# Altium PCB InsaneKeyboard.PcbDoc (part 4 of 4)
Units mil, origin at the board's own origin, x right, y up, seen from the top; angles counter-clockwise.
Board outline 7442.83 x 6333.68 mil, 4 copper layers (Top Layer, Int1 (GND), Int2 (GND), Bottom Layer), stack 60.6 mil thick; 288 components, 175 nets, 883 pads, 541 vias.
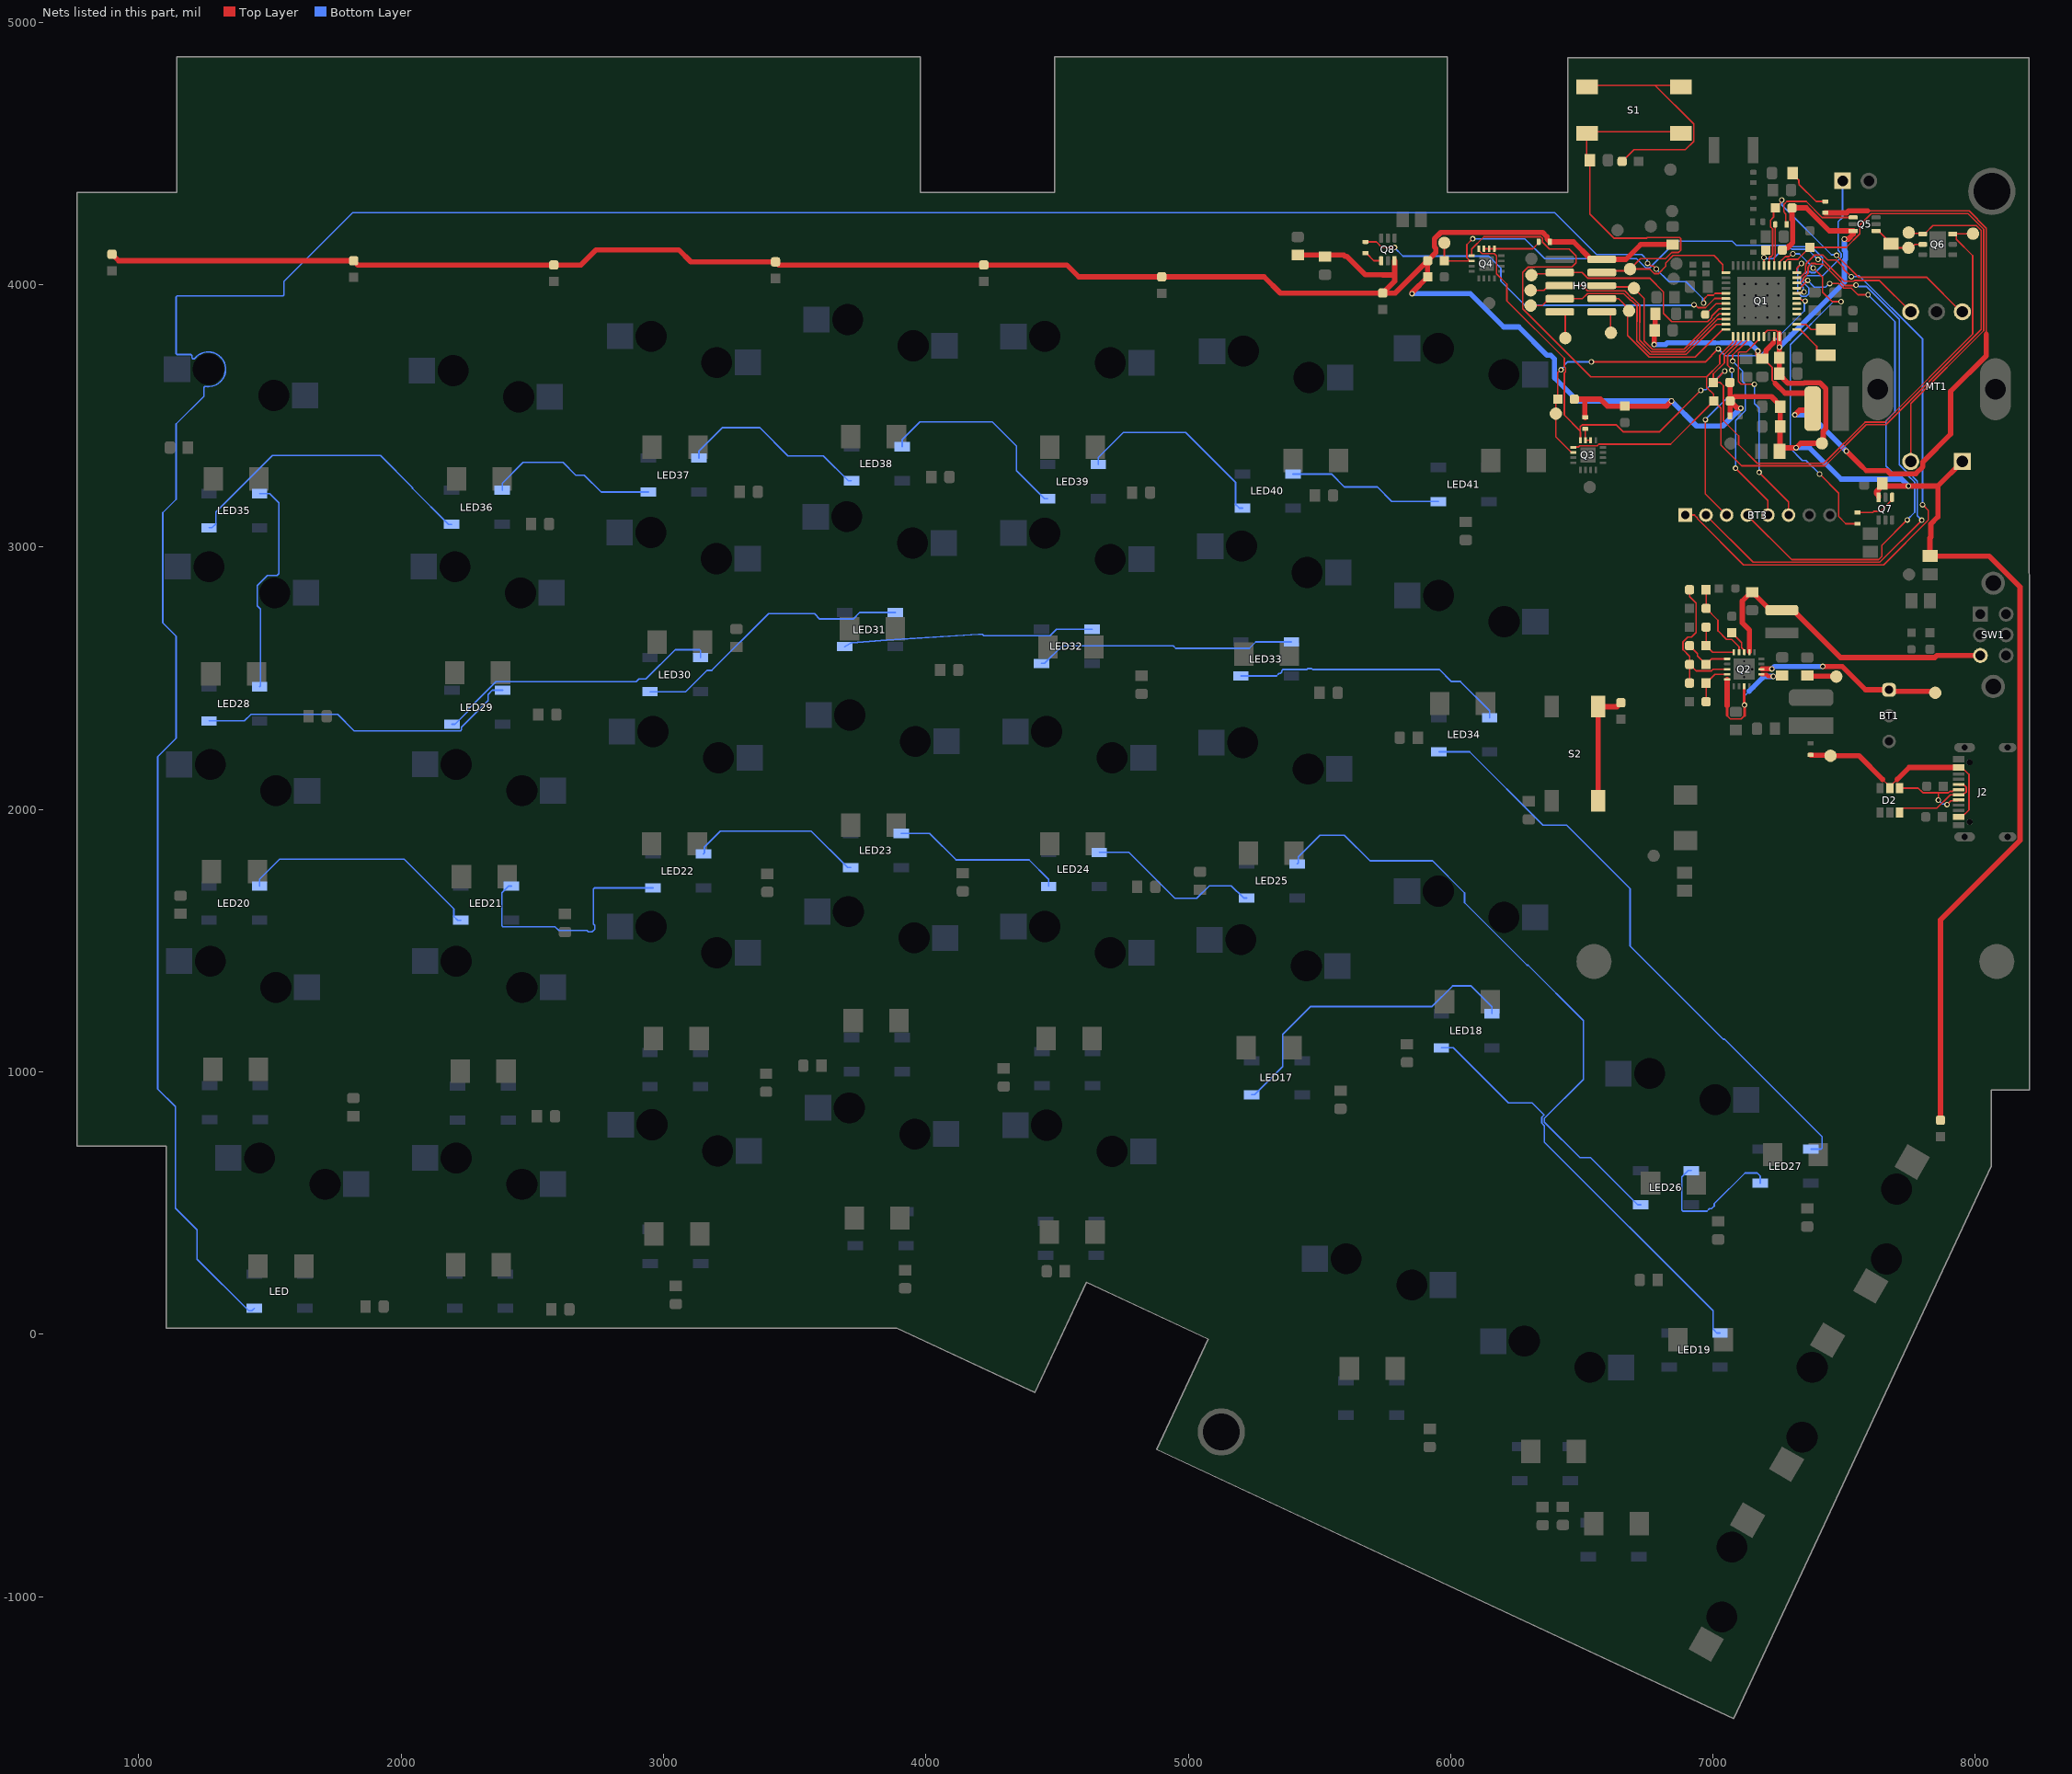
[diagram p6: the nets of this part, all layers, seen from the top]

## Via types
v1: diameter 21, hole 13, Top Layer to Bottom Layer, tented both sides, 274 vias
v2: diameter 21, hole 13, Top Layer to Bottom Layer, 266 vias
v3: diameter 23, hole 13, Top Layer to Bottom Layer, tented both sides, 1 vias

## Nets (pads, with @x,y where several pads share a name; then routed paths per layer and width w, separated by ;. In a path a pad name is that pad's centre, name@x,y a point inside that pad or via, vN(x,y) a via of type N, cw(c..) or ccw(c..) an arc to the next point about the centre after c; other vN are vias at no path point) (continued)
NetLED17_4-DIN: LED17.4-DIN LED18.2-DOUT | length 1219.2
  Bottom Layer w6: LED17.4-DIN@5241.54,913.04 5253.35,913.04 5360.17,1019.85 5360.17,1142.82 5466.85,1249.5 5929.23,1249.5 6007.47,1327.74 6078.39,1327.74 6157.46,1248.68 LED18.2-DOUT@6157.46,1221.96
NetLED18_4-DIN: LED18.4-DIN LED19.2-DOUT | length 1620.7
  Bottom Layer w6: LED18.4-DIN@5964.54,1092.04 6009.96,1092.04 6220.25,881.75 6310.64,881.75 6356.25,836.14 6347.5,827.39 6347.5,804.61 6357.5,794.61 6357.5,732.11 6999.93,89.68 6999.93,19.68 7014.65,4.96 LED19.2-DOUT@7026.46,4.96
NetLED20_2-DOUT: LED20.2-DOUT LED21.4-DIN | length 938.9
  Bottom Layer w6: LED20.2-DOUT@1460.46,1707.96 1460.46,1734.68 1536.74,1810.96 2011.79,1810.96 2201.02,1621.73 2201.02,1592.76 2215.73,1578.04 LED21.4-DIN@2227.54,1578.04
NetLED21_2-DOUT: LED21.2-DOUT LED22.4-DIN | length 925.4
  Bottom Layer w6: LED21.2-DOUT@2420.46,1707.96 2408.65,1707.96 2383.93,1683.24 2383.93,1557.42 2388.03,1553.32 2586.66,1553.32 2600.99,1539 2708.25,1539 2713.75,1533.5 2728.25,1533.5 2738.5,1543.75 2738.5,1558.25 2733,1563.75 2733,1697.52 2736.51,1701.04 LED22.4-DIN@2959.54,1701.04
NetLED22_2-DOUT: LED22.2-DOUT LED23.4-DIN | length 668
  Bottom Layer w6: LED22.2-DOUT@3152.46,1830.96 3156.46,1834.96 3156.46,1857.68 3216.74,1917.96 3562.81,1917.96 3701.73,1779.04 LED23.4-DIN@3713.54,1779.04
NetLED23_2-DOUT: LED23.2-DOUT LED24.4-DIN | length 660.8
  Bottom Layer w6: LED23.2-DOUT@3906.46,1908.96 4014.27,1908.96 4115.15,1808.08 4393.64,1808.08 4468,1733.72 LED24.4-DIN@4468,1707
NetLED24_2-DOUT: LED24.2-DOUT LED25.4-DIN | length 673
  Bottom Layer w6: LED24.2-DOUT@4660.91,1836.92 4773.89,1836.92 4948.81,1662 5032.79,1662 5080.29,1709.5 5164.27,1709.5 5210.73,1663.04 LED25.4-DIN@5222.54,1663.04
NetLED25_2-DOUT: LED25.2-DOUT LED26.4-DIN | length 2409.2
  Bottom Layer w6: LED25.2-DOUT@5415.46,1792.96 5419.46,1796.96 5419.46,1819.68 5501.74,1901.96 5595.29,1901.96 5692.75,1804.5 5930.92,1804.5 6053.28,1682.14 6053.28,1645.31 6291.68,1406.9 6295.1,1406.9 6506,1196 6506,971.75 6357.5,823.25 6357.5,808.75 6492.98,673.27 6533.5,673.27 6712.73,494.04 LED26.4-DIN@6724.54,494.04
NetLED26_2-DOUT: LED26.2-DOUT LED27.4-DIN | length 570.6
  Bottom Layer w6: LED26.2-DOUT@6917.46,623.96 6905.65,623.96 6880.93,599.24 6880.93,473.42 6885.03,469.32 6976.66,469.32 6985.84,478.5 6994.25,478.5 7004.5,488.75 7004.5,497.16 7122.04,614.7 7168.15,614.7 7180.34,602.51 LED27.4-DIN@7180.34,575.8
NetLED27_2-DOUT: LED27.2-DOUT LED34.4-DIN | length 2283.4
  Bottom Layer w6: LED34.4-DIN@5955.54,2220.04 6072.39,2220.04 6351.92,1940.51 6442.24,1940.51 6683.81,1698.94 6683.81,1479.44 7038.54,1124.71 7043.89,1124.71 7415.3,753.31 7415.3,709.23 7411.78,705.72 LED27.2-DOUT@7373.26,705.72
NetLED28_2-DOUT: LED28.2-DOUT LED35.4-DIN | length 850.7
  Bottom Layer w6: LED28.2-DOUT@1460.46,2467.96 1463.55,2471.05 1463.55,2764.79 1451.94,2776.39 1451.94,2853.36 1490.64,2892.06 1527.47,2892.06 1534.06,2898.64 1534.06,3168.89 1498.98,3203.96 LED35.4-DIN@1460.46,3203.96
NetLED28_4-DIN: LED28.4-DIN LED29.2-DOUT | length 1238.2
  Bottom Layer w6: LED28.4-DIN@1267.54,2338.04 1403.31,2338.04 1428.03,2362.76 1758.24,2362.76 1820.68,2300.32 2225.97,2300.32 2230.07,2304.42 2230.07,2314.32 2331.48,2415.73 2331.48,2438.51 2347.93,2454.96 LED29.2-DOUT@2386.46,2454.96
NetLED29_4-DIN: LED29.4-DIN LED30.2-DOUT | length 1097.3
  Bottom Layer w6: LED29.4-DIN@2193.54,2325.04 2205.35,2325.04 2258.03,2377.71 2258.03,2383.68 2361.35,2487 2895.42,2487 2906.18,2497.76 2933.26,2497.76 3044.7,2609.19 3137.94,2609.19 3141.46,2605.68 LED30.2-DOUT@3141.46,2578.96
NetLED30_4-DIN: LED30.4-DIN LED31.2-DOUT | length 1076.8
  Bottom Layer w6: LED30.4-DIN@2948.54,2449.04 3084.31,2449.04 3165.52,2530.24 3183.82,2530.24 3400.08,2746.5 3575.25,2746.5 3595.5,2726.24 3722.97,2726.24 3747.69,2750.96 LED31.2-DOUT@3883.46,2750.96
NetLED31_4-DIN: LED31.4-DIN LED32.2-DOUT | length 960.2
  Bottom Layer w6: LED31.4-DIN@3690.54,2621.04 3717.07,2635.76 3851.03,2645.76 4200.75,2667.5 4215.25,2667.5 4220.5,2662.24 4472.97,2662.24 4497.69,2686.96 LED32.2-DOUT@4633.46,2686.96
NetLED32_4-DIN: LED32.4-DIN LED33.2-DOUT | length 995.3
  Bottom Layer w6: LED32.4-DIN@4440.54,2557.04 4452.35,2557.04 4519.81,2624.5 4942.25,2624.5 4952.5,2614.24 5232.97,2614.24 5257.69,2638.96 LED33.2-DOUT@5393.46,2638.96
NetLED33_4-DIN: LED33.4-DIN LED34.2-DOUT | length 1056.2
  Bottom Layer w6: LED33.4-DIN@5200.54,2509.04 5336.31,2509.04 5345.74,2518.47 5351.07,2518.47 5356.93,2524.33 5356.93,2529.66 5361.03,2533.76 5452.01,2533.76 5455.75,2537.5 5470.25,2537.5 5473.99,2533.76 5957.03,2533.76 6002.93,2487.86 6037.28,2487.86 6148.46,2376.68 LED34.2-DOUT@6148.46,2349.96
NetLED35_2-DOUT: LED35.2-DOUT LED36.4-DIN | length 1176
  Bottom Layer w6: LED35.2-DOUT@1267.54,3074.04 1279.35,3074.04 1294.07,3088.76 1294.07,3133.72 1510.03,3349.68 1920.95,3349.68 2043.48,3227.15 2043.48,3224.29 2180.73,3087.04 LED36.4-DIN@2192.54,3087.04
NetLED36_2-DOUT: LED36.2-DOUT LED37.4-DIN | length 663.4
  Bottom Layer w6: LED36.2-DOUT@2385.46,3216.96 2385.46,3243.68 2464.74,3322.96 2616.86,3322.96 2665.32,3274.5 2697.82,3274.5 2762.29,3210.04 LED37.4-DIN@2942.54,3210.04
NetLED37_2-DOUT: LED37.2-DOUT LED38.4-DIN | length 728.8
  Bottom Layer w6: LED37.2-DOUT@3135.46,3339.96 3135.46,3366.68 3224.74,3455.96 3366.54,3455.96 3474.46,3348.04 3609.73,3348.04 3704.73,3253.04 LED38.4-DIN@3716.54,3253.04
NetLED38_2-DOUT: LED38.2-DOUT LED39.4-DIN | length 786.3
  Bottom Layer w6: LED38.2-DOUT@3909.46,3382.96 3909.46,3409.68 3977.74,3477.96 4253.43,3477.96 4345.72,3385.67 4345.72,3292.05 4452.73,3185.04 LED39.4-DIN@4464.54,3185.04
NetLED39_2-DOUT: LED39.2-DOUT LED40.4-DIN | length 783.6
  Bottom Layer w6: LED39.2-DOUT@4657.46,3314.96 4657.46,3341.68 4752.74,3436.96 4990.59,3436.96 5180.02,3247.54 5180.02,3163.76 5194.73,3149.04 LED40.4-DIN@5206.54,3149.04
NetLED40_2-DOUT: LED40.2-DOUT LED41.4-DIN | length 597.5
  Bottom Layer w6: LED40.2-DOUT@5399.46,3278.96 5545.63,3278.96 5595.09,3229.5 5720.48,3229.5 5775.94,3174.04 LED41.4-DIN@5953.54,3174.04
NetQ2_7: Q2.7 R11.1 R15.2 | length 165.4
  Top Layer w6: R15.2@6973.6,2410.91 R11.1@6973.6,2482.08 7006.83,2515.31 Q2.7@7054.04,2515.31
NetQ2_8: Q2.8 R2.2 R11.2 R12.2 | length 561.5
  Top Layer w6: R11.2@6910.61,2482.08 R12.2@6910.61,2553.25 ; R2.2@6910.61,2837.91 6911.49,2837.03 6911.49,2811.19 6935.32,2787.36 6935.32,2674.96 6917.76,2657.4 6903.45,2657.4 6885.89,2639.84 6885.89,2608.98 6910.61,2584.27 R12.2@6910.61,2553.25 ; Q2.8@7054.04,2535 7000.69,2535 6994.21,2528.53 6935.32,2528.53 R12.2@6910.61,2553.25
NetQ2_10: Q2.10 R12.1 R14.2 | length 186.5
  Top Layer w6: R14.2@6910.61,2624.41 6941.09,2593.93 6941.09,2585.76 R12.1@6973.6,2553.25 6994.72,2574.37 Q2.10@7054.04,2574.37
NetQ2_11: Q2.11 R14.1 R17.2 | length 187.3
  Top Layer w6: R17.2@6973.6,2695.58 R14.1@6973.6,2624.41 6998.05,2599.96 Q2.11@7079.63,2599.96
NetQ2_12: Q2.12 R2.1 R7.2 | length 301.7
  Top Layer w6: R2.1@6973.6,2837.91 R7.2@6973.6,2766.74 7018.83,2721.51 7018.83,2681.34 7051.38,2648.79 7071.3,2648.79 7099.32,2620.77 Q2.12@7099.32,2599.96
NetQ3_14: Q3.14 Q3.15 R27.2 | length 63.7
  Top Layer w6: R27.2@6513,3451 6513.58,3450.42 6513.58,3408.08 Q3.14@6514.16,3407.5 Q3.15@6533.84,3407.5
NetQ4_14: Q4.14 Q4.15 Q4.16 R28.2 | length 221.5
  Top Layer w6: Q4.14@6127.16,4137.5 6312.78,4137.5 6335.35,4160.06 R28.2@6335.35,4164
NetQ5_3: Q5.3 R29.1 | length 375.6
  Top Layer w6: R29.1@7280.65,4230 7277.65,4233 7277.65,4233.91 7277.65,4269.7 7269.78,4277.57 7269.78,4306.03 7281.47,4317.72 7355.05,4317.72 7416.17,4256.59 Q5.3@7534.69,4256.59
NetQ7_3: Q7.3 R333.1 | length 161.2
  Top Layer w6: R333.1@7551,3132.65 7608.91,3132.65 7613.04,3136.79 7638.91,3136.79 7682.59,3180.46 Q7.3@7682.59,3190.31
NetQ8_3: Q8.3 R37.1 | length 72.3
  Top Layer w6: R37.1@5675,4120.35 5678.94,4120.35 5707.59,4091.69 Q8.3@5735.41,4091.69
NetR6_2: R6.2 S1.1 S1.2 | length 942.9
  Top Layer w6: S1.1@6519.87,4754.58 6525.87,4760.58 6778.77,4760.58 ; R6.2@6653.5,4470 6698.33,4514.82 6894.34,4514.82 6926.47,4546.96 6926.47,4612.88 6778.77,4760.58 ; S1.2@6878.13,4754.58 6872.13,4760.58 6778.77,4760.58
NetR38_2: R38.2 S2.1 S2.2 | length 450.8
  Top Layer w20: S2.2@6562.58,2033.87 S2.1@6562.58,2392.13 6634.13,2392.13 R38.2@6649,2407
PAVDD: L4.1 R4.2 | length 180.6
  Top Layer w6: L4.1@7303.37,4426 7303.37,4422.06 7327.54,4397.89 7327.54,4386.89 7328.54,4385.89 7328.54,4381.89 7392.78,4317.65 R4.2@7428,4317.65
PTI_DATA: H9.10 TP12.1 | length 114.5
  Top Layer w6: H9.10@6416,3897 6425.82,3897 6437,3885.82 TP12.1@6437,3797
PTI_FRAME: H9.9 TP8.1 | length 107.9
  Top Layer w6: H9.9@6576,3897 6598.82,3897 6610,3885.82 6610,3818 TP8.1@6611,3817
RADIO_PA0: H3.1 Q1.25 | length 758.9
  Top Layer w6: Q1.25@7319.47,4046.37 7319.47,4063.26 7337,4080.79 v2(7337,4081)
  Bottom Layer w6: v2(7337,4081) 7323.14,4067.14 7323.14,3970.86 7338.5,3955.5 7354.25,3955.5 7364.5,3965.75 7364.5,3988.54 7343.14,4009.9 7343.14,4024.4 7353.39,4034.65 7418.4,4034.65 7488.5,4104.75 7488.5,4119.25 7477,4130.75 7477,4240.63 7494,4257.63 H3.1@7494,4396
RADIO_PA1: BT3.1 Q1.26 | length 2448.2
  Top Layer w6: BT3.1@6894.41,3122.35 6929.16,3122.35 6940.4,3111.1 6940.4,3108.78 7116.66,2932.52 7650.27,2932.52 7821,3103.25 7821,3140 v2(7799,3162) ; Q1.26@7319.47,4026.69 7321.59,4028.8 7333.4,4028.8 7352.5,4047.9 7352.5,4071.75 7354.62,4073.87 7354.62,4080.51 7387.86,4113.75 7418.35,4113.75 7437.6,4094.5 7469.5,4094.5 7496.88,4067.12 7496.88,4061.37 v2(7527.13,4031.13)
  Bottom Layer w6: v2(7527.13,4031.13) 7546.75,4031.13 7549.63,4034 7557.89,4034 7799,3792.89 v2(7799,3162)
RADIO_PA2: BT3.2 Q1.27 | length 2297.5
  Top Layer w6: BT3.2@6973.15,3122.35 7152.98,2942.52 7635.52,2942.52 v2(7796,3103) ; Q1.27@7319.47,4007 7331.28,4007 7333.4,4009.12 7343.5,4019.22 7343.5,4024.76 7362.5,4043.76 7362.5,4067.61 7364.5,4069.61 7364.5,4071.25 7374.75,4081.5 7390.25,4081.5 7393,4078.75 7420.28,4078.75 7501.9,3997.13 7543.76,3997.13 v2(7545.31,3998.69)
  Bottom Layer w6: v2(7545.31,3998.69) 7549.37,3998.69 7554.12,3993.94 7583.81,3993.94 7710,3867.75 7710,3314.15 7739.65,3284.5 7746.39,3284.5 7778.94,3251.95 7778.94,3120.06 v2(7796,3103)
RADIO_PA3: BT3.4 Q1.28 | length 2101.1
  Top Layer w6: BT3.4@7130.63,3122.35 7300.46,2952.52 7630.84,2952.52 7643.13,2964.81 7643.13,3007.13 v2(7740,3104) ; v2(7361,4017) Q1.28@7333.4,3989.43 ; v2(7445,4005) 7479.89,4005 7497.76,3987.13 7527.27,3987.13 7552.4,3962 v2(7591,3962) ; Q1.28@7333.4,3989.43 7331.28,3987.31 Q1.28@7319.47,3987.31 7321.59,3989.43 Q1.28@7333.4,3989.43
  Bottom Layer w6: v2(7361,4017) 7361,4016.25 7386.25,3991 7429.12,3991 7443.12,4005 v2(7445,4005) ; v2(7591,3962) 7693.65,3859.35 7693.65,3515.58 7659.5,3481.44 7659.5,3308.75 7692.25,3276 7726.01,3276 7727.51,3274.5 7742.25,3274.5 7768.94,3247.81 7768.94,3132.94 v2(7740,3104)
RADIO_PA4: Q1.29 Q4.11 R30.1 TP24.1 | length 1945.9
  Top Layer w6: TP24.1@5976,4160 5976,4092.5 R30.1@5975.5,4092 5976.65,4090.84 Q4.11@6073.81,4090.84 ; Q4.11@6080.5,4090.84 Q4.11@6073.81,4090.84 ; v1(6084,4175.31) 6061.69,4153 6061.69,4102.96 Q4.11@6073.81,4090.84 ; Q1.29@7319.47,3967.63 7321.59,3969.75 7339.69,3969.75 7342.94,3973 v1(7347,3973)
  Bottom Layer w6: v1(6084,4175.31) 6282.94,4175.31 6358.75,4099.5 6708.75,4099.5 6743.75,4064.5 6758.25,4064.5 6859.75,4166 7073.25,4166 7088.75,4150.5 7299.14,4150.5 7303.9,4145.74 7375.51,4145.74 7417.75,4103.5 7417.75,4075 7389.25,4046.5 7374.75,4046.5 7371.75,4049.5 7358.75,4049.5 7353.9,4044.65 7349.25,4044.65 7333.14,4028.54 7333.14,4005.76 7338.12,4000.77 7338.12,3995.5 7344.13,3989.49 7344.13,3975.87 v1(7347,3973)
RADIO_PA5: Q1.30 Q3.11 R26.1 TP23.1 | length 1475.1
  Top Layer w6: v1(6420.63,3676) 6419.06,3676 6408.5,3665.44 R26.1@6408.5,3564 6401,3556.5 6401,3420.65 6460.81,3360.84 Q3.11@6467.5,3360.84 ; v1(6536,3706) 6970,3706 v1(7020,3756) ; Q1.30@7319.47,3947.94 7331.28,3947.94 7338.36,3940.87 7348.13,3940.87 v1(7351,3938)
  Bottom Layer w6: v1(6420.63,3676) 6420.63,3676.34 6434.25,3689.96 6434.25,3695.25 6445,3706 v1(6536,3706) ; v1(7020,3756) 7045.66,3730.34 7178.03,3730.34 7348.26,3900.58 7348.26,3935.26 v1(7351,3938)
RADIO_PB11: Q1.31
RADIO_PB12: Q1.32
RADIO_PB13: Q1.33
RADIO_PB14: Q1.35 X2.2 | length 118.5
  Top Layer w6: Q1.35@7319.47,3849.52 7354.85,3849.52 7374.15,3830.21 X2.2@7430,3830.21
RADIO_PB15: Q1.36 X2.1 | length 160
  Top Layer w6: Q1.36@7319.47,3829.83 7331.28,3829.83 7333.4,3827.72 7395.6,3765.52 7395.6,3750.44 7414.25,3731.79 X2.1@7430,3731.79
RADIO_PC6: BT3.6 Q1.43 | length 837.9
  Top Layer w6: v2(7158,3621) 7107.11,3621 7096.38,3631.73 7096.38,3740.03 7100.48,3744.13 7127.47,3744.13 7172.28,3788.94 7174.39,3791.05 Q1.43@7174.39,3802.87 ; v2(7176,3285) 7288.11,3172.89 BT3.6@7288.11,3122.35
  Bottom Layer w6: v2(7158,3621) 7158,3547.87 7176,3529.87 v2(7176,3285)
RADIO_PC7: Q1.44
RADIO_PC8: BT3.5 Q1.45 | length 781.4
  Top Layer w6: v2(7074.88,3709.23) 7074.88,3732.67 7096.34,3754.13 7098.1,3754.13 7132.91,3788.94 Q1.45@7135.02,3791.05 ; v2(7086,3301) 7209.37,3177.63 BT3.5@7209.37,3122.35
  Bottom Layer w6: v2(7074.88,3709.23) 7113,3671.11 7113,3632.12 7123.5,3621.62 7123.5,3520.27 7086,3482.77 v2(7086,3301)
RADIO_PC9: BT3.3 Q1.46 | length 775.8
  Top Layer w6: v2(6971,3486) 6971,3203.24 BT3.3@7051.89,3122.35 ; v2(7072,3674) 7072,3676.82 7055.38,3693.44 7055.38,3731.09 Q1.46@7115.34,3791.05
  Bottom Layer w6: v2(6971,3486) 7072,3587 v2(7072,3674)
RADIO_PC10: Q1.47 Q3.13 Q4.13 Q6.1 R32.1 TP34.1 | length 3766.4
  Top Layer w6: Q4.13@6107.47,4137.5 6107.47,4130.8 6119.59,4118.68 6166.3,4118.68 6174.68,4110.3 6174.68,4042.43 6214.5,4002.61 6214.5,3938.89 6433.22,3720.17 6433.22,3688.16 6438.13,3683.25 6438.13,3668.75 6433.22,3663.84 6433.22,3503.47 6494.19,3442.5 ; Q3.13@6494.47,3407.5 6494.47,3437.75 6494.19,3438.03 6494.19,3442.5 ; v1(6953.5,3597.5) 6795.5,3439.5 6658.86,3439.5 6632.49,3465.87 6500.6,3465.87 6494.19,3459.47 6494.19,3442.5 ; v1(7044.5,3671.5) 7016.22,3642.72 R32.1@7001.5,3628 ; Q1.47@7095.65,3791.05 7093.54,3788.94 7085.84,3781.24 7085.84,3777.58 7043.38,3735.12 7043.38,3702.48 7001.5,3660.6 R32.1@7001.5,3628 ; Q6.1@7914.09,4193.37 7914.9,4194.19 7990.18,4194.19 TP34.1@7991,4195 ; Q6.1@7921.96,4193.37 7927.82,4187.51 7927.82,4173.16 7989.91,4111.08 7989.91,3811.84 7654.95,3476.89 7579.86,3476.89 7423.03,3320.06 7168.19,3320.06 7097.62,3390.63 7097.62,3424.13 7039.78,3481.97 7039.78,3615 7026.78,3628 R32.1@7001.5,3628
  Bottom Layer w6: v1(6953.5,3597.5) 6956,3600 6973,3600 v1(7044.5,3671.5)
RADIO_PC11: Q1.48 Q3.12 Q4.12 Q6.6 R31.1 TP33.1 | length 4675.4
  Top Layer w6: Q4.12@6080.5,4110.53 6080.5,4136.61 6126.71,4182.81 6343.81,4182.81 6350.22,4176.4 6350.22,4162.85 6376.57,4136.5 6451.65,4136.5 6478,4110.15 6478,4083.85 6462.65,4068.5 6320.81,4068.5 6319.93,4067.62 6295.32,4067.62 6274.38,4046.68 6274.38,3908.32 6533.66,3649.03 6975.79,3649.03 ; Q3.12@6467.5,3380.53 6469.28,3382.3 6488.32,3382.3 6492.56,3386.54 6558.65,3386.54 6564.76,3392.65 6838.15,3392.65 R31.1@7002.5,3557 ; Q1.48@7075.97,3802.87 7075.84,3802.74 7075.84,3781.72 7025.88,3731.76 7025.88,3699.12 6975.79,3649.03 ; TP33.1@7746,4199 7748.82,4196.19 7809.83,4196.19 7812.76,4199.12 7812.76,4200.37 7838.01,4225.62 8003.68,4225.62 8021.62,4207.68 8021.62,3829.42 7659.09,3466.89 7584,3466.89 7427.18,3310.06 7108.63,3310.06 7029.78,3388.91 7029.78,3529.72 R31.1@7002.5,3557 ; 6975.79,3649.03 6975.79,3608.38 6988.12,3596.05 6990.17,3596.05 7002.5,3583.72 R31.1@7002.5,3557
RADIO_PD10: MT1.B Q1.19 R36.1 | length 745.3
  Top Layer w6: Q1.19@7194.08,4073.34 7194.04,4073.38 v1(7194,4104) v1(7194,4104) 7194,4131.5 7194.5,4132 7200.68,4132 R36.1@7201.28,4132.61 ; v1(7400.25,4096.25) 7416.92,4096.25 7499.55,4013.63 7535.51,4013.63 7538.07,4016.19 7634.66,4016.19 MT1.B@7753.58,3897.28
  Bottom Layer w6: v1(7194,4104) 7198.06,4104 7202.06,4100 7230.16,4100 7268.78,4138.62 7296.87,4138.62 7299.76,4135.74 7360.76,4135.74 v1(7400.25,4096.25)
RADIO_PD11: MT1.A Q1.20 R33.1 | length 1155.1
  Top Layer w6: Q1.20@7213.76,4073.34 7213.76,4104.38 7217.28,4107.89 7221.9,4107.89 7227.47,4113.47 7227.47,4212.54 7218.99,4221.02 7218.99,4245.83 7230.5,4257.35 7230.5,4285.22 7259.13,4313.85 7259.13,4320.13 v1(7262,4323) ; v1(7471,4112) 7554,4029 7813.69,4029 7945.42,3897.28 MT1.A@7950.43,3897.28
  Bottom Layer w6: v1(7262,4323) 7262.75,4322.25 7262.75,4303.5 7451.5,4114.75 7468.25,4114.75 v1(7471,4112)
RADIO_PD12: Q1.21 R29.2 | length 158.4
  Top Layer w6: Q1.21@7233.45,4073.34 7233.45,4105.3 7237.47,4109.32 7237.47,4229.87 R29.2@7237.35,4230
RADIO_PD13: Q1.22 R333.2 | length 1457.9
  Top Layer w6: Q1.22@7253.13,4073.34 7253.13,4085.15 7275.38,4107.4 7289.23,4107.4 7300.07,4118.24 v2(7304.12,4118.24) ; v2(7382,4064) 7383,4064 7417.62,4029.38 7417.62,3972.38 7454.01,3936 v2(7488,3936) ; v2(7405.89,3278.89) 7478.34,3206.44 7478.34,3117.2 7506.19,3089.35 R333.2@7551,3089.35
  Bottom Layer w6: v2@7301.51,4115.62 v2(7304.12,4118.24) 7328.76,4118.24 7382,4065 v2(7382,4064) ; v2(7405.89,3278.89) 7354.51,3330.27 7340.98,3330.27 7294.5,3376.75 7294.5,3771.83 7458.67,3936 v2(7488,3936)
RADIO_PD14: MT1.2 Q1.23 R3.1 | length 1892.8
  Top Layer w6: Q1.23@7272.82,4073.34 7274.94,4075.46 7274.94,4087.27 7285.07,4097.4 7323.89,4097.4 R3.1@7369,4142.5 7507.75,4142.5 7559.41,4194.16 7559.41,4227.88 7603,4271.46 7971.98,4271.46 8031.62,4211.83 8031.62,3825.28 7753.58,3547.23 MT1.2@7753.58,3326.41
RADIO_PD15: Q1.24
RADIO_PF0: H9.7 Q1.1 TP7.1 | length 663.6
  Top Layer w6: H9.7@6576,3947 6640,3947 6680,3907 TP7.1@6680,3901 6674,3895 6674,3807.22 6756.27,3724.94 6932.3,3724.94 7035.07,3827.72 Q1.1@7037.19,3829.83
RADIO_PF1: H9.8 Q1.2 TP11.1 | length 985.7
  Top Layer w6: TP11.1@6305,3921 6349.5,3921 6375.5,3947 6501.91,3947 6521.91,3967 6659.31,3967 6686.39,3939.91 6689.39,3939.91 6710.62,3918.68 6710.62,3860.73 6709.89,3859.99 6709.89,3785.47 6760.42,3734.94 6897.65,3734.94 7012.23,3849.52 Q1.2@7049,3849.52
RADIO_PF2: H9.6 Q1.3 TP13.1 | length 986.4
  Top Layer w6: TP13.1@6305,3979 6356.02,3979 6374.02,3997 6501.91,3997 6521.91,3977 6663.45,3977 6690.54,3949.91 6693.54,3949.91 6720.62,3922.83 6720.62,3856.59 6719.89,3855.85 6719.89,3789.61 6764.56,3744.94 6893.51,3744.94 7017.77,3869.2 Q1.3@7049,3869.2
RADIO_PF3: H9.5 Q1.4 TP10.1 | length 723.8
  Top Layer w6: H9.5@6576,3997 6581,3992 6693.73,3992 6737.69,3948.04 6737.69,3785.96 6768.7,3754.94 6889.36,3754.94 7004.99,3870.56 7004.99,3870.81 7023.07,3888.89 Q1.4@7049,3888.89
RADIO_PF4: H9.4 Q1.5 TP9.1 | length 894.7
  Top Layer w6: TP9.1@6308,4037 6313,4042 6411,4042 H9.4@6416,4047 6500.85,4047 6522.35,4025.5 6758.49,4025.5 6811.24,3972.76 6811.24,3890.69 6842.55,3859.38 6979.66,3859.38 6994.99,3874.71 6994.99,3880.49 7023.07,3908.57 Q1.5@7049,3908.57
RADIO_PF5: LED2.A Q1.6 | length 95.6
  Top Layer w6: LED2.A@6970.5,3887 7011.76,3928.26 Q1.6@7049,3928.26
RADIO_PF6: Q1.7 R37.2 | length 1523.1
  Top Layer w6: R37.2@5675,4163.65 5716.88,4163.65 5738.53,4142 v2(5786,4142) ; v2(6928,3924) 6932.06,3924 6943.11,3912.94 6971.59,3912.94 7006.59,3947.94 Q1.7@7049,3947.94
  Bottom Layer w6: v2(5786,4142) 5818.5,4109.5 6145.5,4109.5 6191.65,4063.35 6191.65,4013.6 6283.23,3922.02 6926.02,3922.02 v2(6928,3924)
RADIO_PF7: LED.4-DIN Q1.8 | length 10639.8
  Top Layer w6: v2(6751,4082) 6753.98,4082 6763.98,4072 6772,4072 v2(6784.04,4059.96) ; v2(6964,3930.44) 6966.87,3933.31 6966.87,3946.89 6980.35,3960.38 7001.03,3960.38 7008.29,3967.63 Q1.8@7049,3967.63
  Bottom Layer w6: 1249.75,3611.02 1248,3609.27 1248,3575 1142.5,3469.5 1142.5,3182.09 1091.87,3131.46 1091.87,2711.8 1142.5,2661.17 1142.5,2272.18 1072.44,2202.12 1072.44,934.96 1139.52,867.88 1139.52,481.25 1222.38,398.39 1222.38,286.39 1419.23,89.54 1431.04,89.54 LED.4-DIN@1440.54,99.04 ; 1249.77,3611.04 1251.51,3612.79 1254,3612.79 1254.47,3612.79 ccw(c1265,3678) 1213.88,3719.84 cw(c1209.26,3723.66) 1212.31,3718.49 1211.75,3718.16 1211.13,3717.96 cw(c1209.26,3723.66) 1207.39,3717.96 1206.77,3718.16 1206.22,3718.49 cw(c1209.26,3723.66) 1204.44,3720.08 1203.26,3721.68 1203.26,3723.66 1203.26,3730.11 1199.16,3734.21 1146.01,3734.21 1144.26,3735.97 1142.5,3737.73 1142.5,3954.49 1146.01,3958 1550.29,3958 1552.05,3959.76 1553.81,3961.51 1553.81,4013.05 1815.26,4274.5 6396.5,4274.5 6556,4115 6729,4115 6748.71,4095.29 6748.71,4084.29 v2(6751,4082) ; v2(6784.04,4059.96) 6832,4012 6897,4012 6961.13,3947.87 6961.13,3933.31 v2(6964,3930.44)
RESET: C14.1 H9.3 Q1.12 S1.3 S1.4 TP6.1 | length 1895.6
  Top Layer w6: H9.3@6576,4047 6582.5,4053.5 6677.5,4053.5 TP6.1@6684,4060 ; S1.4@6878.13,4577.42 6872.13,4583.42 6525.87,4583.42 6518.87,4576.42 6518.87,4486.69 C14.1@6530.55,4475 6530.55,4270.14 6623.32,4177.38 6746.49,4177.38 6749.35,4180.24 6872.52,4180.24 6876.62,4176.14 6876.62,4130.97 6869.28,4123.62 6843.35,4123.62 6819.22,4099.5 6723.5,4099.5 TP6.1@6684,4060 ; Q1.12@7049,4046.37 7039.75,4046.37 7037.63,4048.49 7037.63,4077.26 7003.27,4111.62 6848.32,4111.62 6819.8,4083.11 6819.8,4070.97 6791.29,4042.46 6776.79,4042.46 6759.25,4060 TP6.1@6684,4060
TEMP_LOAD_SW: C28.1 Q5.6 Q6.5 TP27.1 | length 210.7
  Top Layer w6: Q5.6@7621.31,4205.41 7631.15,4205.41 7695.56,4141 7756.16,4141 7769.16,4154 Q6.5@7799.91,4154
USB_D_N: D2.1 J2.A7 J2.B7 | length 341.7
  Top Layer w6: D2.1@7711.41,1988.39 7711.41,1994.3 7722.19,2005.08 7852.9,2005.08 7904.14,2056.32 7952.54,2056.32 7955.44,2059.22 7959.31,2063.1 7961.34,2063.1 7965.44,2067.2 7965.44,2084.8 7957.47,2092.78 7938.91,2092.78 J2.B7@7936,2095.69
USB_D_P: D2.6 J2.A6 J2.B6 | length 356.2
  Top Layer w6: D2.6@7711.41,2081.4 7782.12,2081.4 7799.08,2064.44 7859,2064.44 ; v2(7859,2036) 7859,2064.44 ; v2(7892,2019) 7906.72,2033.72 7933.09,2033.72 J2.B6@7936,2036.63 ; J2.A6@7936,2076 7919.46,2076 7912.69,2069.22 7902.9,2069.22 7898.12,2064.44 7859,2064.44
  Bottom Layer w6: v2(7859,2036) 7874,2021 7890,2021 v2(7892,2019)
USB_VCC: D2.5 J2.A4_B9 J2.B4_A9 R13.2 TP16.1 | length 892.8
  Top Layer w6: 7646.28,2115.09 D2.5@7674.01,2087.36 ; 7701.73,2115.09 D2.5@7674.01,2087.36 ; J2.B4_A9@7936,1971.67 7948.66,1971.67 7975.44,1998.46 7975.44,2133.86 7948.66,2160.65 J2.A4_B9@7936,2160.65 ; D2.5@7674.01,2087.36 D2.5@7674.01,2081.4 D2.5@7674.01,2087.36
  Top Layer w20: R13.2@7372.14,2208.47 7373.88,2206.73 7446.26,2206.73 TP16.1@7448,2205 7556.37,2205 7646.28,2115.09 ; 7701.73,2115.09 7747.29,2160.65 J2.A4_B9@7936,2160.65
VBAT: BT1.1 Q2.18 TP18.1 | length 706.9
  Top Layer w20: Q2.18@7185.77,2535.96 v1(7224.55,2535.96) ; v1(7418.62,2545.62) 7492.45,2545.62 7581.64,2456.43 BT1.1@7671,2456.43 7677.21,2450.21 7841.79,2450.21 TP18.1@7847,2445
  Bottom Layer w20: v1(7224.55,2535.96) 7224.82,2535.96 7234.48,2545.62 v1(7418.62,2545.62)
VBAT_OK: Q2.13 R18.1 | length 93
  Top Layer w6: R18.1@7072,2673.5 7109.32,2636.19 7109.32,2616.73 7117.28,2608.77 7119,2607.05 Q2.13@7119,2599.96
VDCDC: C6.1 C9.1 L3.1 L5.2 Q1.40 R4.1 | length 3309.6
  Top Layer w6: C9.1@7191.94,3718.45 7225.87,3684.52 7225.87,3635.48 7236.97,3624.38 ; 7588.96,4281.46 7976.13,4281.46 8041.62,4215.97 8041.62,3811.23
  Top Layer w12.37: 7229.07,3777.82 7232.88,3781.64 Q1.40@7232.88,3795.94
  Top Layer w17.67: 7567.5,3307.5 7583.5,3291.5
  Top Layer w20: v1(6775.95,3772.44) 6775.95,3825.4 C6.1@6778.57,3828.01 ; C6.1@6777.55,3827 6779.09,3828.54 6779.09,3888.46 L3.1@6780.63,3890 ; v1(7170.78,3747.84) 7170.97,3747.65 7170.97,3734.94 7174.38,3731.53 7174.38,3728.13 7184.06,3718.45 C9.1@7191.94,3718.45 ; C9.1@7190,3720.45 7193.94,3720.45 7201.62,3728.13 7201.62,3750.38 7229.07,3777.82 ; 7236.97,3624.38 7274.45,3586.9 7358.64,3586.9 7379.7,3565.84 L5.2@7379.7,3528 7373.62,3521.92 7329.92,3521.92 v1(7312,3504) ; R4.1@7428,4274.35 7509.37,4274.35 7516.48,4281.46 7588.96,4281.46 ; v1(7508.43,3366.57) 7567.5,3307.5 ; 7583.5,3291.5 7663.43,3291.5 7675,3279.93 7772.83,3279.93 7800.06,3307.16 7800.06,3325.06 7905.78,3430.78 7905.78,3593.74 8041.62,3729.58 8041.62,3811.23
  Bottom Layer w17: 7008.35,3779 7031.65,3779
  Bottom Layer w20: v1(6775.95,3772.44) 6819.89,3772.44 6826.45,3779 7008.35,3779 ; 7031.65,3779 7139.62,3779 v1(7170.78,3747.84) ; v1(7312,3504) 7371,3504 v1(7508.43,3366.57)
VMCU: C7.1 C8.1 C13.1 C20.1 C21.1 C24.2 C25.1 C26.1 C29.1 C69.1 H9.1 L6.1 MT1.1 Q1.39 Q1.42 Q5.1 Q7.1 Q8.1 R16.2 R19.2 R20.2 R21.2 R22.2 R23.2 R24.2 R25.2 R26.2 R27.1 R28.1 R30.2 R31.2 R32.2 R33.2 R34.1 R35.1 R36.2 TP21.1 | length 15071.7
  Top Layer w6: Q1.42@7194.65,3809.8 7194.65,3814.2 7207.25,3826.8 7241.02,3826.8 Q1.39@7253.13,3814.68
  Top Layer w20: R16.2@898,4116.5 923,4091.5 R19.2@1819,4091.5 1835,4075.5 R20.2@2582,4075.5 2685.28,4075.5 2743.26,4133.48 3058.28,4133.48 3104.27,4087.5 R21.2@3427,4087.5 3439,4075.5 R22.2@4221,4075.5 4537.5,4075.5 4582.5,4030.5 R23.2@4899,4030.5 5289,4030.5 5351,3968.5 R24.2@5741,3968.5 ; C26.1@5417,4113.55 C29.1@5521,4113.55 ; C29.1@5521,4107.45 C29.1@5521,4113.55 ; Q8.1@5786.59,4091.69 5786.59,4038 ; v2(5852.5,3966) 5852.69,3966.19 5852.69,3970.19 R34.1@5912.5,4030 R30.2@5912.5,4092 5943.36,4122.86 5943.36,4139.43 5938.38,4144.42 5938.38,4175.58 5962.61,4199.81 6350.85,4199.81 6367.22,4183.45 6367.22,4175.12 R28.1@6376.53,4165.81 ; R30.2@5912,4091.5 5789,3968.5 R24.2@5741,3968.5 ; R28.1@6380.78,4164 6468.5,4164 6531,4101.5 6571.5,4101.5 H9.1@6576,4097 6667.79,4097 6724.35,4153.55 C7.1@6846,4153.55 ; R26.2@6471.5,3564 6511.75,3564 ; R27.1@6513,3494.31 6511.75,3495.56 6511.75,3564 ; v2(6842,3557) 6822.5,3537.5 6597.27,3537.5 6570.76,3564 6511.75,3564 ; R32.2@7064.5,3628 7065,3627.5 7065,3557.5 R31.2@7065.5,3557 ; L6.1@7064.91,3502.6 7064.91,3556.41 R31.2@7065.5,3557 ; v2(7106,3530) 7105.81,3530.19 7092.3,3530.19 R31.2@7065.5,3557 ; C8.1@7252.55,3662 C8.1@7252.55,3658.06 ; Q1.39@7253.13,3814.68 Q1.39@7253.13,3802.87 7253.07,3802.8 7253.07,3762.07 7252.81,3761.81 7252.81,3722.26 C13.1@7252.55,3722 C8.1@7252.55,3658.06 ; C25.1@7253.65,3366 7266.45,3378.81 v1@7316.81,3378.81 ; C25.1@7255.05,3373.5 7255.05,3458.6 C21.1@7256.45,3460 7256.45,3539.94 7222.76,3573.62 7082.12,3573.62 R31.2@7065.5,3557 ; R36.2@7264.28,4132.61 7271.38,4139.72 7282.74,4139.72 7303.37,4160.34 7303.37,4246.77 7301.28,4248.86 R33.2@7301.28,4293 7355.72,4293 7443.31,4205.41 Q5.1@7534.69,4205.41 ; v1(7317,3379) v1@7316.81,3378.81 ; v1(7501,4174) 7501.19,4174.19 7515.4,4174.19 7534.19,4192.98 Q5.1@7534.19,4203.28 ; Q7.1@7631.41,3190.31 7631.41,3195.9 7622.54,3204.77 7622.54,3210.93 7644.63,3233.02 7744.94,3233.02 7857.02,3233 ; R25.2@7867,816 7867,1579.27 8170.47,1882.74 8170.47,2848.08 8052.55,2966 C24.2@7827,2966 7827,3034.87 7830.5,3038.37 7830.5,3088.71 7857.02,3115.23 7857.02,3233 ; MT1.1@7950.43,3326.41 7857.02,3233 ; C29.1@5521,4113.55 5592.66,4113.55 5597.66,4108.55 5604.62,4108.55 5675.17,4038 5740.35,4038 5740.85,4037.5 5786.09,4037.5 5786.59,4038 ; R24.2@5741,3968.5 5786.59,4014.09 5786.59,4038 ; C8.1@7252.55,3658.06 7286.24,3624.38 7345.87,3624.38 7348.14,3626.65 7407.77,3626.65 7430,3604.42 7430,3451.58 7420.21,3441.8 7420.21,3401.21 TP21.1@7415,3396 7334.27,3396 7317.08,3378.81 v1@7316.81,3378.81
  Bottom Layer w20: v2(5852.5,3966) 6075.35,3966 6201.85,3839.51 6259.64,3839.51 6367.93,3731.21 6382.08,3731.21 6396.13,3717.15 6396.13,3645.22 6484.35,3557 v2(6842,3557) 6937.5,3461.5 7037.23,3461.5 7105.73,3530 v2(7106,3530) ; v1(7253,3762) 7501,4010 7501,4093.21 7505.5,4097.71 7505.5,4126.29 7501,4130.79 v1(7501,4174) ; v1(7317,3379) 7368,3379 7488,3259 7718.97,3259 v1(7744.97,3233)
VOUT: C19.1 L7.2 Q2.14 SW1.3 | length 1233.8
  Top Layer w20: Q2.14@7138.69,2601.77 7138.69,2684.61 7111.38,2711.92 7111.38,2794.76 7145.06,2828.45 C19.1@7149,2828.45 7152.94,2828.45 7162.62,2818.76 7162.62,2816.07 7218.69,2760 L7.2@7262,2760 7305.31,2760 7486.02,2579.28 7845.33,2579.28 7853.15,2587.11 8018.64,2587.11 SW1.3@8018.79,2587.26
VSTOR: C15.1 C16.1 Q2.3 Q2.6 Q2.19 TP17.1 | length 662.3
  Top Layer w6: 7054.04,2357.98 7066.35,2345.67 7107.86,2345.67 7119.56,2357.38
  Top Layer w9.67: 7119.56,2357.38 7120,2357.82 v2(7120,2398)
  Top Layer w10: Q2.3@7119,2470.04 7119,2468.23 7119,2397.91 v2@7119.1,2397.81
  Top Layer w10.88: 7054.04,2357.98 7054.04,2396.64
  Top Layer w15.21: Q2.19@7185.77,2514.35 7204.41,2514.35 7211.23,2507.54 v2(7229.87,2507.54)
  Top Layer w20: 7054.04,2396.64 7054.04,2490.35 Q2.6@7054.04,2495.63 ; C15.1@7359,2510.55 7360.78,2508.78 7468.22,2508.78 TP17.1@7470,2507
  Bottom Layer w6: 7119,2432.25 7138.25,2451.5
  Bottom Layer w10: 7119,2432.25 7119,2399 v2(7120,2398)
  Bottom Layer w20: 7138.25,2451.5 7194.1,2507.35 7229.67,2507.35 v2(7229.87,2507.54)
pads on no net: BT1.2 D2.3 D2.4 H3.2 J2. J2.A8 J2.B8 LED41.2-DOUT Q1.13 Q3.17 Q4.17 Q5.4 Q5.5 Q6. Q6.3 Q6.4 Q7.4 Q7.5 Q8.4 Q8.5 SW1.1 SW1.4 SW1.5 SW1.6 SW1.S1 SW1.S2 SW2.4 SW2.5 SW3.4 SW3.5 SW4.4 SW4.5 SW5.4 SW5.5 SW6.4 SW6.5 SW7.4 SW7.5 SW8.4 SW8.5 SW9.4 SW9.5 SW10.4 SW10.5 SW11.4 SW11.5 SW12.4 SW12.5 SW13.4 SW13.5 SW14.4 SW14.5 SW15.4 SW15.5 SW16.4 SW16.5 SW17.4 SW17.5 SW18.4 SW18.5 SW19.4 SW19.5 SW20.4 SW20.5 SW21.4 SW21.5 SW22.4 SW22.5 SW23.4 SW23.5 SW24.4 SW24.5 SW25.4 SW25.5 SW26.4 SW26.5 SW27.4 SW27.5 SW28.4 SW28.5 SW29.4 SW29.5 SW30.4 SW30.5 SW31.4 SW31.5 SW32.4 SW32.5 SW33.4 SW33.5 SW34.4 SW34.5 SW35.4 SW35.5 SW36.4 SW36.5 SW37.4 SW37.5 SW38.4 SW38.5 SW39.4 SW39.5

## Polygon pours and split planes (outlines as drawn)
GND on Top Layer "GND_L01_P006" (solid, remove dead copper, pour order 6): 8185,4513 6441,4513 6441,4346 6435.78,4351.22 5988,4351.22 5988,4286 5988,3966 8185,3966
GND on Top Layer "GND_L01_P005" (solid, pour order 5): 7179,2730 7179,2784 7119,2784 7117,2786 7117,2656 7154,2619 7154,2591 7153,2590 7034,2551 7147,2551 7164,2568 7164,2611 7163,2612 7173,2622 7173,2625 7175,2625 7178,2628
NetC17_1 on Top Layer "NETC17_1_L01_P004" (solid, pour order 4): 7501,2351 7500,2352 7228,2352 7217,2341 7217,2217 7195,2195 6840,2195 6835,2190 6838,2187 6838,2002 6993,2002 7129,2138 7268,2138 7372,2242 7499.88,2242
VOUT on Top Layer "VOUT_L01_P003" (solid, pour order 3): 7211,2738 7329,2738 7334,2743 7334,2930 7109,2930 7109,2797.14 7113.14,2793 7192,2793 7192,2738 7193,2739 7220,2739
GND on Top Layer "GND_L01_P002" (solid, pour order 2): 7382,2559 7194.64,2552 7171.64,2550 7171.64,2562.36 7194.64,2561.36 7216.64,2587.36 7229.64,2606.36 7367.64,2606.36 7386.64,2587.36
VSTOR on Top Layer "VSTOR_L01_P001" (solid, pour order 1): 7444,2532 7207,2532 7196,2521 7172,2521 7172,2511 7173,2510 7215,2510 7244,2484 7247,2484 7448,2484 7448,2544 7432,2544
GND on Top Layer "GND_L01_P000" (solid, pour order 0): 7500,2389 7461,2389 7461,2478 7462,2479 7500,2479 7500,2413 7500,2389 7234,2389 7234,2443 7189,2488 7164,2488 7164,2579 7167,2582 7165,2584 7077,2584 7077,2497 7073,2457 7086,2490 7155,2490 7151,2490 7153,2349 7135,2331 7137,2329 7137,2227 7199,2227 7200,2226 7207,2233 7207,2361 7498,2361 7500,2363
GND on Int1 (GND) (split plane): 5967.09,4351.22 5967.48,4347.3 5968.62,4343.53 5970.48,4340.05 5972.98,4337.01 5976.03,4334.51 5979.5,4332.65 5983.27,4331.51 5987.19,4331.12 6447,4331.12 6450.92,4331.51 6454.69,4332.65 6458.17,4334.51 6461.21,4337.01 6463.71,4340.05 6465.57,4343.53 6466.71,4347.3 6467.1,4351.22 6467.1,4508.94 8185.23,4508.94 8186.89,951 8060.57,951 8056.65,950.62 8052.88,949.47 8049.41,947.62 8046.36,945.12 8043.86,942.07 8042,938.6 8040.86,934.83 8040.47,930.91 8040.48,645.66 7709.58,-63.93 7393.45,-741.88 7069.18,-1437.29 4906.29,-428.72 5093.8,-26.6 5095.11,-22.88 5095.66,-18.98 5095.45,-15.05 5094.67,-12.01 5094.47,-11.23 5092.77,-7.68 5090.4,-4.53 5087.47,-1.9 5084.08,0.11 4620.22,216.41 4616.5,217.72 4612.6,218.27 4608.67,218.06 4604.85,217.08 4601.3,215.38 4598.15,213.01 4595.52,210.08 4593.51,206.69 4406,-195.43 3898.04,41.43 3897.63,41.58 3897.24,41.79 3895.77,42.23 3894.32,42.74 3893.89,42.8 3893.47,42.93 3891.94,43.08 3890.42,43.3 3889.99,43.27 3889.55,43.32 1124.02,43.32 1124.02,716.53 1123.63,720.46 1122.49,724.23 1120.63,727.7 1118.13,730.75 1115.09,733.24 1111.61,735.1 1107.84,736.25 1103.92,736.63 784.26,736.63 784.26,4331.12 1144.67,4331.12 1148.59,4331.5 1152.36,4332.65 1155.84,4334.5 1158.88,4337 1161.38,4340.05 1163.24,4343.52 1164.38,4347.29 1164.77,4351.21 1164.77,4849.58 3959.22,4849.58 3959.22,4351.22 3959.61,4347.29 3960.75,4343.52 3962.61,4340.05 3965.11,4337 3968.15,4334.51 3971.63,4332.65 3975.4,4331.5 3979.32,4331.12 4491.13,4331.12 4495.05,4331.5 4498.82,4332.65 4502.29,4334.51 4505.34,4337 4507.84,4340.05 4509.7,4343.52 4510.84,4347.29 4511.23,4351.22 4511.23,4849.58 5967.09,4849.58
GND on Int2 (GND) (split plane): 5967.09,4351.22 5967.48,4347.3 5968.62,4343.53 5970.48,4340.05 5972.98,4337.01 5976.03,4334.51 5979.5,4332.65 5983.27,4331.51 5987.19,4331.12 6447,4331.12 6450.92,4331.51 6454.69,4332.65 6458.17,4334.51 6461.21,4337.01 6463.71,4340.05 6465.57,4343.53 6466.71,4347.3 6467.1,4351.22 6467.1,4512.94 8185.23,4512.94 8186.89,951 8060.57,951 8056.65,950.62 8052.88,949.47 8049.41,947.62 8046.36,945.12 8043.86,942.07 8042,938.6 8040.86,934.83 8040.47,930.91 8040.48,645.66 7709.58,-63.93 7393.45,-741.88 7069.18,-1437.29 4906.29,-428.72 5093.8,-26.6 5095.11,-22.88 5095.66,-18.98 5095.45,-15.05 5094.67,-12.01 5094.47,-11.23 5092.77,-7.68 5090.4,-4.53 5087.47,-1.9 5084.08,0.11 4620.22,216.41 4616.5,217.72 4612.6,218.27 4608.67,218.06 4604.85,217.08 4601.3,215.38 4598.15,213.01 4595.52,210.08 4593.51,206.69 4406,-195.43 3898.04,41.43 3897.63,41.58 3897.24,41.79 3895.77,42.23 3894.32,42.74 3893.89,42.8 3893.47,42.93 3891.94,43.08 3890.42,43.3 3889.99,43.27 3889.55,43.32 1124.02,43.32 1124.02,716.53 1123.63,720.46 1122.49,724.23 1120.63,727.7 1118.13,730.75 1115.09,733.24 1111.61,735.1 1107.84,736.25 1103.92,736.63 784.26,736.63 784.26,4331.12 1144.67,4331.12 1148.59,4331.5 1152.36,4332.65 1155.84,4334.5 1158.88,4337 1161.38,4340.05 1163.24,4343.52 1164.38,4347.29 1164.77,4351.21 1164.77,4849.58 3959.22,4849.58 3959.22,4351.22 3959.61,4347.29 3960.75,4343.52 3962.61,4340.05 3965.11,4337 3968.15,4334.51 3971.63,4332.65 3975.4,4331.5 3979.32,4331.12 4491.13,4331.12 4495.05,4331.5 4498.82,4332.65 4502.29,4334.51 4505.34,4337 4507.84,4340.05 4509.7,4343.52 4510.84,4347.29 4511.23,4351.22 4511.23,4849.58 5967.09,4849.58

## Keep-outs
Keep-Out Layer:
  lines w20: 764.16,716.53 764.16,4351.21 1144.67,4351.21 1144.67,4869.68 3979.32,4869.68 3979.32,4351.22 4491.13,4351.22 4491.13,4869.68 5987.19,4869.68 5987.19,4351.22 6449,4351.22 6449,4865 8205.16,4865 8206.99,930.91 8060.57,930.91 8060.57,641.2 7727.8,-72.43 7411.67,-750.38 7078.9,-1464 4879.58,-438.44 5075.59,-18.1 4611.73,198.2 4415.72,-222.14 3889.55,23.22 1103.92,23.22 1103.92,716.53 764.16,716.53

## Other copper
Int1 (GND) (plane layer: these items are gaps in the copper):
  region: 8193,4847 6466,4847 6466,4512 8193,4512
  lines w6: 6454,4512 8212,4512
Int2 (GND) (plane layer: these items are gaps in the copper):
  region: 8186,4848 6462,4848 6462,4519 8186,4519
  lines w6: 6447,4516 8196,4516

## Silkscreen, mask and mechanical layers (free items; w line width, h text height)
Top Overlay:
  text "MCU Reset" at 6589,4809 h30
  text "Temp Sensor" at 7683,4248 h30
  text "SWD" at 6652,4148 h30
  text "DNP" at 7872,2878 h30 r270
  text "IO exp Reset" at 7026,2127 h30 r270
  text "DNP" at 6935,1671 h30 r270
Mechanical 13:
  circle w10: c3413,2462 r107.17
  circle w10: c6781,-467 r129.63

## Text inside footprints (layer, text, board x,y; h text height)
J2: Mechanical 13 "PCB EDGE" at 8197.81,1861.43 h16 r90